# Altium PCB top_LM_v2.PcbDoc (part 2 of 5) (continued)
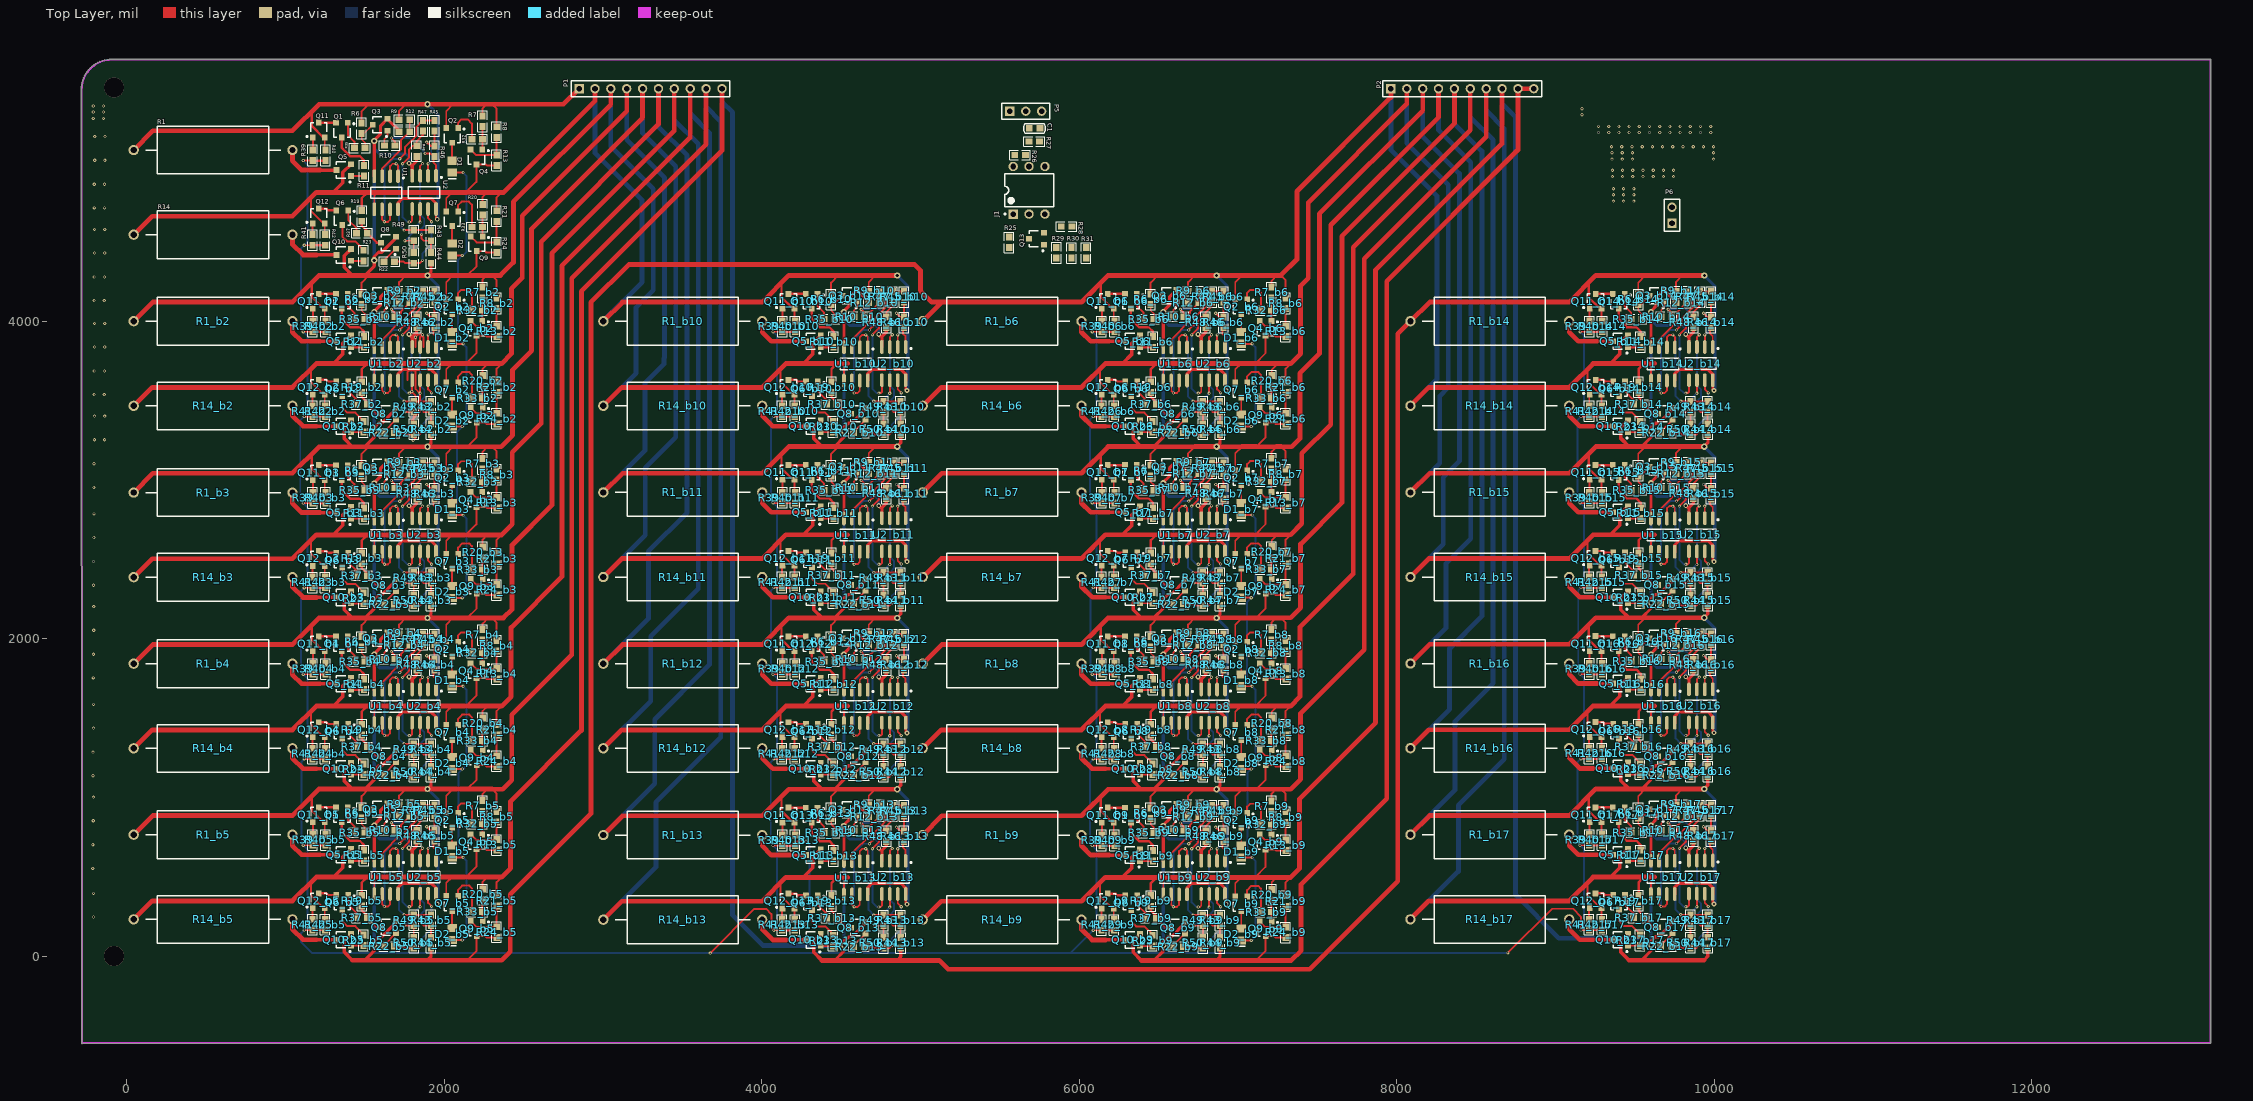
[diagram p0: Top Layer view]
## Nets (pads, with @x,y where several pads share a name; then routed paths per layer and width w, separated by ;. In a path a pad name is that pad's centre, name@x,y a point inside that pad or via, vN(x,y) a via of type N, cw(c..) or ccw(c..) an arc to the next point about the centre after c; other vN are vias at no path point)
+12V: P5.1
ALARM: C1.1 P5.3 R27.2
G1_VC1_BUF: R43.1 R49.1 U1.1 U1.2 | length 798.4
  Top Layer w12: U1.2@1660,4912.75 1660,4976.26 1675,4991.26 v1(1698,4991.26) 1710,4979.26 U1.1@1710,4912.75 ; v1@1748.54,4572.72 R49.1@1809,4572.72 R43.1@1917,4572.72
  Bottom Layer w12: v1(1698,4991.26) 1715,4974.26 1715,4606.26 v1(1748,4573.26)
G1_VC1_BUF_b2: R43_b2.1 R49_b2.1 U1_b2.1 U1_b2.2 | length 798.4
  Top Layer w12: U1_b2.2@1660,3834.75 1660,3898.26 1675,3913.26 v1(1698,3913.26) 1710,3901.26 U1_b2.1@1710,3834.75 ; v1@1748.54,3494.72 R49_b2.1@1809,3494.72 R43_b2.1@1917,3494.72
  Bottom Layer w12: v1(1698,3913.26) 1715,3896.26 1715,3528.26 v1(1748,3495.26)
G1_VC1_BUF_b3: R43_b3.1 R49_b3.1 U1_b3.1 U1_b3.2 | length 798.4
  Top Layer w12: U1_b3.2@1660,2755.75 1660,2819.26 1675,2834.26 v1(1698,2834.26) 1710,2822.26 U1_b3.1@1710,2755.75 ; v1@1748.54,2415.72 R49_b3.1@1809,2415.72 R43_b3.1@1917,2415.72
  Bottom Layer w12: v1(1698,2834.26) 1715,2817.26 1715,2449.26 v1(1748,2416.26)
G1_VC1_BUF_b4: R43_b4.1 R49_b4.1 U1_b4.1 U1_b4.2 | length 798.4
  Top Layer w12: U1_b4.2@1660,1677.75 1660,1741.26 1675,1756.26 v1(1698,1756.26) 1710,1744.26 U1_b4.1@1710,1677.75 ; v1@1748.54,1337.72 R49_b4.1@1809,1337.72 R43_b4.1@1917,1337.72
  Bottom Layer w12: v1(1698,1756.26) 1715,1739.26 1715,1371.26 v1(1748,1338.26)
G1_VC1_BUF_b5: R43_b5.1 R49_b5.1 U1_b5.1 U1_b5.2 | length 798.4
  Top Layer w12: U1_b5.2@1660,600.75 1660,664.26 1675,679.26 v1(1698,679.26) 1710,667.26 U1_b5.1@1710,600.75 ; v1@1748.54,260.72 R49_b5.1@1809,260.72 R43_b5.1@1917,260.72
  Bottom Layer w12: v1(1698,679.26) 1715,662.26 1715,294.26 v1(1748,261.26)
G1_VC1_BUF_b6: R43_b6.1 R49_b6.1 U1_b6.1 U1_b6.2 | length 798.4
  Top Layer w12: U1_b6.2@6629.25,3834.75 6629.25,3898.26 6644.25,3913.26 v1(6667.25,3913.26) 6679.25,3901.26 U1_b6.1@6679.25,3834.75 ; v1@6717.79,3494.72 R49_b6.1@6778.25,3494.72 R43_b6.1@6886.25,3494.72
  Bottom Layer w12: v1(6667.25,3913.26) 6684.25,3896.26 6684.25,3528.26 v1(6717.25,3495.26)
G1_VC1_BUF_b7: R43_b7.1 R49_b7.1 U1_b7.1 U1_b7.2 | length 798.4
  Top Layer w12: U1_b7.2@6629.25,2756.75 6629.25,2820.26 6644.25,2835.26 v1(6667.25,2835.26) 6679.25,2823.26 U1_b7.1@6679.25,2756.75 ; v1@6717.79,2416.72 R49_b7.1@6778.25,2416.72 R43_b7.1@6886.25,2416.72
  Bottom Layer w12: v1(6667.25,2835.26) 6684.25,2818.26 6684.25,2450.26 v1(6717.25,2417.26)
G1_VC1_BUF_b8: R43_b8.1 R49_b8.1 U1_b8.1 U1_b8.2 | length 798.4
  Top Layer w12: U1_b8.2@6629.25,1677.75 6629.25,1741.26 6644.25,1756.26 v1(6667.25,1756.26) 6679.25,1744.26 U1_b8.1@6679.25,1677.75 ; v1@6717.79,1337.72 R49_b8.1@6778.25,1337.72 R43_b8.1@6886.25,1337.72
  Bottom Layer w12: v1(6667.25,1756.26) 6684.25,1739.26 6684.25,1371.26 v1(6717.25,1338.26)
G1_VC1_BUF_b9: R43_b9.1 R49_b9.1 U1_b9.1 U1_b9.2 | length 798.4
  Top Layer w12: U1_b9.2@6629.25,598.75 6629.25,662.26 6644.25,677.26 v1(6667.25,677.26) 6679.25,665.26 U1_b9.1@6679.25,598.75 ; v1@6717.79,258.72 R49_b9.1@6778.25,258.72 R43_b9.1@6886.25,258.72
  Bottom Layer w12: v1(6667.25,677.26) 6684.25,660.26 6684.25,292.26 v1(6717.25,259.26)
G1_VC1_BUF_b10: R43_b10.1 R49_b10.1 U1_b10.1 U1_b10.2 | length 798.4
  Top Layer w12: U1_b10.2@4618,3834.75 4618,3898.26 4633,3913.26 v1(4656,3913.26) 4668,3901.26 U1_b10.1@4668,3834.75 ; v1@4706.54,3494.72 R49_b10.1@4767,3494.72 R43_b10.1@4875,3494.72
  Bottom Layer w12: v1(4656,3913.26) 4673,3896.26 4673,3528.26 v1(4706,3495.26)
G1_VC1_BUF_b11: R43_b11.1 R49_b11.1 U1_b11.1 U1_b11.2 | length 798.4
  Top Layer w12: U1_b11.2@4618,2756.75 4618,2820.26 4633,2835.26 v1(4656,2835.26) 4668,2823.26 U1_b11.1@4668,2756.75 ; v1@4706.54,2416.72 R49_b11.1@4767,2416.72 R43_b11.1@4875,2416.72
  Bottom Layer w12: v1(4656,2835.26) 4673,2818.26 4673,2450.26 v1(4706,2417.26)
G1_VC1_BUF_b12: R43_b12.1 R49_b12.1 U1_b12.1 U1_b12.2 | length 798.4
  Top Layer w12: U1_b12.2@4618,1677.75 4618,1741.26 4633,1756.26 v1(4656,1756.26) 4668,1744.26 U1_b12.1@4668,1677.75 ; v1@4706.54,1337.72 R49_b12.1@4767,1337.72 R43_b12.1@4875,1337.72
  Bottom Layer w12: v1(4656,1756.26) 4673,1739.26 4673,1371.26 v1(4706,1338.26)
G1_VC1_BUF_b13: R43_b13.1 R49_b13.1 U1_b13.1 U1_b13.2 | length 798.4
  Top Layer w12: U1_b13.2@4618,598.75 4618,662.26 4633,677.26 v1(4656,677.26) 4668,665.26 U1_b13.1@4668,598.75 ; v1@4706.54,258.72 R49_b13.1@4767,258.72 R43_b13.1@4875,258.72
  Bottom Layer w12: v1(4656,677.26) 4673,660.26 4673,292.26 v1(4706,259.26)
G1_VC1_BUF_b14: R43_b14.1 R49_b14.1 U1_b14.1 U1_b14.2 | length 798.4
  Top Layer w12: U1_b14.2@9701,3834.75 9701,3898.26 9716,3913.26 v1(9739,3913.26) 9751,3901.26 U1_b14.1@9751,3834.75 ; v1@9789.54,3494.72 R49_b14.1@9850,3494.72 R43_b14.1@9958,3494.72
  Bottom Layer w12: v1(9739,3913.26) 9756,3896.26 9756,3528.26 v1(9789,3495.26)
G1_VC1_BUF_b15: R43_b15.1 R49_b15.1 U1_b15.1 U1_b15.2 | length 798.4
  Top Layer w12: U1_b15.2@9700.75,2756.75 9700.75,2820.26 9715.75,2835.26 v1(9738.75,2835.26) 9750.75,2823.26 U1_b15.1@9750.75,2756.75 ; v1@9789.28,2416.72 R49_b15.1@9849.75,2416.72 R43_b15.1@9957.75,2416.72
  Bottom Layer w12: v1(9738.75,2835.26) 9755.75,2818.26 9755.75,2450.26 v1(9788.75,2417.26)
G1_VC1_BUF_b16: R43_b16.1 R49_b16.1 U1_b16.1 U1_b16.2 | length 798.4
  Top Layer w12: U1_b16.2@9700.75,1678.75 9700.75,1742.26 9715.75,1757.26 v1(9738.75,1757.26) 9750.75,1745.26 U1_b16.1@9750.75,1678.75 ; v1@9789.28,1338.72 R49_b16.1@9849.75,1338.72 R43_b16.1@9957.75,1338.72
  Bottom Layer w12: v1(9738.75,1757.26) 9755.75,1740.26 9755.75,1372.26 v1(9788.75,1339.26)
G1_VC1_BUF_b17: R43_b17.1 R49_b17.1 U1_b17.1 U1_b17.2 | length 798.4
  Top Layer w12: U1_b17.2@9700.75,600.75 9700.75,664.26 9715.75,679.26 v1(9738.75,679.26) 9750.75,667.26 U1_b17.1@9750.75,600.75 ; v1@9789.28,260.72 R49_b17.1@9849.75,260.72 R43_b17.1@9957.75,260.72
  Bottom Layer w12: v1(9738.75,679.26) 9755.75,662.26 9755.75,294.26 v1(9788.75,261.26)
G1_VC1_DISCH: R10.2 R46.2 U2.1 | length 497.4
  Top Layer w12: v1(1668,5153.26) 1690.46,5130.8 R10.2@1690.46,5106.26 ; v1(1880,5056.26) 1912.54,5056.26 1932,5036.8 1932,4999.26 1949,4982.26 U2.1@1949,4915.02
  Bottom Layer w12: v1(1668,5153.26) 1783,5153.26 v1(1880,5056.26)
G1_VC1_DISCH_b2: R10_b2.2 R46_b2.2 U2_b2.1 | length 497.4
  Top Layer w12: v1(1668,4075.26) 1690.46,4052.8 R10_b2.2@1690.46,4028.26 ; v1(1880,3978.26) 1912.54,3978.26 1932,3958.8 1932,3921.26 1949,3904.26 U2_b2.1@1949,3837.02
  Bottom Layer w12: v1(1668,4075.26) 1783,4075.26 v1(1880,3978.26)
G1_VC1_DISCH_b3: R10_b3.2 R46_b3.2 U2_b3.1 | length 497.4
  Top Layer w12: v1(1668,2996.26) 1690.46,2973.8 R10_b3.2@1690.46,2949.26 ; v1(1880,2899.26) 1912.54,2899.26 1932,2879.8 1932,2842.26 1949,2825.26 U2_b3.1@1949,2758.02
  Bottom Layer w12: v1(1668,2996.26) 1783,2996.26 v1(1880,2899.26)
G1_VC1_DISCH_b4: R10_b4.2 R46_b4.2 U2_b4.1 | length 497.4
  Top Layer w12: v1(1668,1918.26) 1690.46,1895.8 R10_b4.2@1690.46,1871.26 ; v1(1880,1821.26) 1912.54,1821.26 1932,1801.8 1932,1764.26 1949,1747.26 U2_b4.1@1949,1680.02
  Bottom Layer w12: v1(1668,1918.26) 1783,1918.26 v1(1880,1821.26)
G1_VC1_DISCH_b5: R10_b5.2 R46_b5.2 U2_b5.1 | length 497.4
  Top Layer w12: v1(1668,841.26) 1690.46,818.8 R10_b5.2@1690.46,794.26 ; v1(1880,744.26) 1912.54,744.26 1932,724.8 1932,687.26 1949,670.26 U2_b5.1@1949,603.02
  Bottom Layer w12: v1(1668,841.26) 1783,841.26 v1(1880,744.26)
G1_VC1_DISCH_b6: R10_b6.2 R46_b6.2 U2_b6.1 | length 497.4
  Top Layer w12: v1(6637.25,4075.26) 6659.72,4052.8 R10_b6.2@6659.72,4028.26 ; v1(6849.25,3978.26) 6881.79,3978.26 6901.25,3958.8 6901.25,3921.26 6918.25,3904.26 U2_b6.1@6918.25,3837.02
  Bottom Layer w12: v1(6637.25,4075.26) 6752.25,4075.26 v1(6849.25,3978.26)
G1_VC1_DISCH_b7: R10_b7.2 R46_b7.2 U2_b7.1 | length 497.4
  Top Layer w12: v1(6637.25,2997.26) 6659.72,2974.8 R10_b7.2@6659.72,2950.26 ; v1(6849.25,2900.26) 6881.79,2900.26 6901.25,2880.8 6901.25,2843.26 6918.25,2826.26 U2_b7.1@6918.25,2759.02
  Bottom Layer w12: v1(6637.25,2997.26) 6752.25,2997.26 v1(6849.25,2900.26)
G1_VC1_DISCH_b8: R10_b8.2 R46_b8.2 U2_b8.1 | length 497.4
  Top Layer w12: v1(6637.25,1918.26) 6659.72,1895.8 R10_b8.2@6659.72,1871.26 ; v1(6849.25,1821.26) 6881.79,1821.26 6901.25,1801.8 6901.25,1764.26 6918.25,1747.26 U2_b8.1@6918.25,1680.02
  Bottom Layer w12: v1(6637.25,1918.26) 6752.25,1918.26 v1(6849.25,1821.26)
G1_VC1_DISCH_b9: R10_b9.2 R46_b9.2 U2_b9.1 | length 497.4
  Top Layer w12: v1(6637.25,839.26) 6659.72,816.8 R10_b9.2@6659.72,792.26 ; v1(6849.25,742.26) 6881.79,742.26 6901.25,722.8 6901.25,685.26 6918.25,668.26 U2_b9.1@6918.25,601.02
  Bottom Layer w12: v1(6637.25,839.26) 6752.25,839.26 v1(6849.25,742.26)
G1_VC1_DISCH_b10: R10_b10.2 R46_b10.2 U2_b10.1 | length 497.4
  Top Layer w12: v1(4626,4075.26) 4648.46,4052.8 R10_b10.2@4648.46,4028.26 ; v1(4838,3978.26) 4870.54,3978.26 4890,3958.8 4890,3921.26 4907,3904.26 U2_b10.1@4907,3837.02
  Bottom Layer w12: v1(4626,4075.26) 4741,4075.26 v1(4838,3978.26)
G1_VC1_DISCH_b11: R10_b11.2 R46_b11.2 U2_b11.1 | length 497.4
  Top Layer w12: v1(4626,2997.26) 4648.46,2974.8 R10_b11.2@4648.46,2950.26 ; v1(4838,2900.26) 4870.54,2900.26 4890,2880.8 4890,2843.26 4907,2826.26 U2_b11.1@4907,2759.02
  Bottom Layer w12: v1(4626,2997.26) 4741,2997.26 v1(4838,2900.26)
G1_VC1_DISCH_b12: R10_b12.2 R46_b12.2 U2_b12.1 | length 497.4
  Top Layer w12: v1(4626,1918.26) 4648.46,1895.8 R10_b12.2@4648.46,1871.26 ; v1(4838,1821.26) 4870.54,1821.26 4890,1801.8 4890,1764.26 4907,1747.26 U2_b12.1@4907,1680.02
  Bottom Layer w12: v1(4626,1918.26) 4741,1918.26 v1(4838,1821.26)
G1_VC1_DISCH_b13: R10_b13.2 R46_b13.2 U2_b13.1 | length 497.4
  Top Layer w12: v1(4626,839.26) 4648.46,816.8 R10_b13.2@4648.46,792.26 ; v1(4838,742.26) 4870.54,742.26 4890,722.8 4890,685.26 4907,668.26 U2_b13.1@4907,601.02
  Bottom Layer w12: v1(4626,839.26) 4741,839.26 v1(4838,742.26)
G1_VC1_DISCH_b14: R10_b14.2 R46_b14.2 U2_b14.1 | length 497.4
  Top Layer w12: v1(9709,4075.26) 9731.46,4052.8 R10_b14.2@9731.46,4028.26 ; v1(9921,3978.26) 9953.54,3978.26 9973,3958.8 9973,3921.26 9990,3904.26 U2_b14.1@9990,3837.02
  Bottom Layer w12: v1(9709,4075.26) 9824,4075.26 v1(9921,3978.26)
G1_VC1_DISCH_b15: R10_b15.2 R46_b15.2 U2_b15.1 | length 497.4
  Top Layer w12: v1(9708.75,2997.26) 9731.21,2974.8 R10_b15.2@9731.21,2950.26 ; v1(9920.75,2900.26) 9953.28,2900.26 9972.75,2880.8 9972.75,2843.26 9989.75,2826.26 U2_b15.1@9989.75,2759.02
  Bottom Layer w12: v1(9708.75,2997.26) 9823.75,2997.26 v1(9920.75,2900.26)
G1_VC1_DISCH_b16: R10_b16.2 R46_b16.2 U2_b16.1 | length 497.4
  Top Layer w12: v1(9708.75,1919.26) 9731.21,1896.8 R10_b16.2@9731.21,1872.26 ; v1(9920.75,1822.26) 9953.28,1822.26 9972.75,1802.8 9972.75,1765.26 9989.75,1748.26 U2_b16.1@9989.75,1681.02
  Bottom Layer w12: v1(9708.75,1919.26) 9823.75,1919.26 v1(9920.75,1822.26)
G1_VC1_DISCH_b17: R10_b17.2 R46_b17.2 U2_b17.1 | length 497.4
  Top Layer w12: v1(9708.75,841.26) 9731.21,818.8 R10_b17.2@9731.21,794.26 ; v1(9920.75,744.26) 9953.28,744.26 9972.75,724.8 9972.75,687.26 9989.75,670.26 U2_b17.1@9989.75,603.02
  Bottom Layer w12: v1(9708.75,841.26) 9823.75,841.26 v1(9920.75,744.26)
G1_VC1_VOL: R9.1 R12.2 U1.3 | length 427.4
  Top Layer w12: U1.3@1610,4912.75 1610,4961.83 1728.12,5079.95 1728.12,5137.91 R12.2@1783.46,5193.26 R9.1@1783.46,5268.26
G1_VC1_VOL_b2: R9_b2.1 R12_b2.2 U1_b2.3 | length 427.4
  Top Layer w12: U1_b2.3@1610,3834.75 1610,3883.83 1728.12,4001.95 1728.12,4059.91 R12_b2.2@1783.46,4115.26 R9_b2.1@1783.46,4190.26
G1_VC1_VOL_b3: R9_b3.1 R12_b3.2 U1_b3.3 | length 427.4
  Top Layer w12: U1_b3.3@1610,2755.75 1610,2804.83 1728.12,2922.95 1728.12,2980.91 R12_b3.2@1783.46,3036.26 R9_b3.1@1783.46,3111.26
G1_VC1_VOL_b4: R9_b4.1 R12_b4.2 U1_b4.3 | length 427.4
  Top Layer w12: U1_b4.3@1610,1677.75 1610,1726.83 1728.12,1844.95 1728.12,1902.91 R12_b4.2@1783.46,1958.26 R9_b4.1@1783.46,2033.26
G1_VC1_VOL_b5: R9_b5.1 R12_b5.2 U1_b5.3 | length 427.4
  Top Layer w12: U1_b5.3@1610,600.75 1610,649.83 1728.12,767.95 1728.12,825.91 R12_b5.2@1783.46,881.26 R9_b5.1@1783.46,956.26
G1_VC1_VOL_b6: R9_b6.1 R12_b6.2 U1_b6.3 | length 427.4
  Top Layer w12: U1_b6.3@6579.25,3834.75 6579.25,3883.83 6697.37,4001.95 6697.37,4059.91 R12_b6.2@6752.72,4115.26 R9_b6.1@6752.72,4190.26
G1_VC1_VOL_b7: R9_b7.1 R12_b7.2 U1_b7.3 | length 427.4
  Top Layer w12: U1_b7.3@6579.25,2756.75 6579.25,2805.83 6697.37,2923.95 6697.37,2981.91 R12_b7.2@6752.72,3037.26 R9_b7.1@6752.72,3112.26
G1_VC1_VOL_b8: R9_b8.1 R12_b8.2 U1_b8.3 | length 427.4
  Top Layer w12: U1_b8.3@6579.25,1677.75 6579.25,1726.83 6697.37,1844.95 6697.37,1902.91 R12_b8.2@6752.72,1958.26 R9_b8.1@6752.72,2033.26
G1_VC1_VOL_b9: R9_b9.1 R12_b9.2 U1_b9.3 | length 427.4
  Top Layer w12: U1_b9.3@6579.25,598.75 6579.25,647.83 6697.37,765.95 6697.37,823.91 R12_b9.2@6752.72,879.26 R9_b9.1@6752.72,954.26
G1_VC1_VOL_b10: R9_b10.1 R12_b10.2 U1_b10.3 | length 427.4
  Top Layer w12: U1_b10.3@4568,3834.75 4568,3883.83 4686.12,4001.95 4686.12,4059.91 R12_b10.2@4741.46,4115.26 R9_b10.1@4741.46,4190.26
G1_VC1_VOL_b11: R9_b11.1 R12_b11.2 U1_b11.3 | length 427.4
  Top Layer w12: U1_b11.3@4568,2756.75 4568,2805.83 4686.12,2923.95 4686.12,2981.91 R12_b11.2@4741.46,3037.26 R9_b11.1@4741.46,3112.26
G1_VC1_VOL_b12: R9_b12.1 R12_b12.2 U1_b12.3 | length 427.4
  Top Layer w12: U1_b12.3@4568,1677.75 4568,1726.83 4686.12,1844.95 4686.12,1902.91 R12_b12.2@4741.46,1958.26 R9_b12.1@4741.46,2033.26
G1_VC1_VOL_b13: R9_b13.1 R12_b13.2 U1_b13.3 | length 427.4
  Top Layer w12: U1_b13.3@4568,598.75 4568,647.83 4686.12,765.95 4686.12,823.91 R12_b13.2@4741.46,879.26 R9_b13.1@4741.46,954.26
G1_VC1_VOL_b14: R9_b14.1 R12_b14.2 U1_b14.3 | length 427.4
  Top Layer w12: U1_b14.3@9651,3834.75 9651,3883.83 9769.12,4001.95 9769.12,4059.91 R12_b14.2@9824.46,4115.26 R9_b14.1@9824.46,4190.26
G1_VC1_VOL_b15: R9_b15.1 R12_b15.2 U1_b15.3 | length 427.4
  Top Layer w12: U1_b15.3@9650.75,2756.75 9650.75,2805.83 9768.87,2923.95 9768.87,2981.91 R12_b15.2@9824.21,3037.26 R9_b15.1@9824.21,3112.26
G1_VC1_VOL_b16: R9_b16.1 R12_b16.2 U1_b16.3 | length 427.4
  Top Layer w12: U1_b16.3@9650.75,1678.75 9650.75,1727.83 9768.87,1845.95 9768.87,1903.91 R12_b16.2@9824.21,1959.26 R9_b16.1@9824.21,2034.26
G1_VC1_VOL_b17: R9_b17.1 R12_b17.2 U1_b17.3 | length 427.4
  Top Layer w12: U1_b17.3@9650.75,600.75 9650.75,649.83 9768.87,767.95 9768.87,825.91 R12_b17.2@9824.21,881.26 R9_b17.1@9824.21,956.26
G1_VC2_BUF: R45.1 R47.1 U1.6 U1.7 | length 1025.4
  Top Layer w12: U1.6@1610,4703.77 1610,4639.26 v1(1624,4625.26) 1646,4625.26 1660,4639.26 U1.7@1660,4703.77 ; v1(1721,5022.26) 1753,5054.26 1753,5094.69 1800.69,5142.38 1801.12,5142.38 1825,5166.26 1825,5221.72 R47.1@1867,5263.72 R45.1@1939,5263.72
  Bottom Layer w12: v1(1624,4625.26) 1624,4965.26 1681,5022.26 v1(1721,5022.26)
G1_VC2_BUF_b2: R45_b2.1 R47_b2.1 U1_b2.6 U1_b2.7 | length 1025.4
  Top Layer w12: U1_b2.6@1610,3625.77 1610,3561.26 v1(1624,3547.26) 1646,3547.26 1660,3561.26 U1_b2.7@1660,3625.77 ; v1(1721,3944.26) 1753,3976.26 1753,4016.69 1800.69,4064.38 1801.12,4064.38 1825,4088.26 1825,4143.72 R47_b2.1@1867,4185.72 R45_b2.1@1939,4185.72
  Bottom Layer w12: v1(1624,3547.26) 1624,3887.26 1681,3944.26 v1(1721,3944.26)
G1_VC2_BUF_b3: R45_b3.1 R47_b3.1 U1_b3.6 U1_b3.7 | length 1025.4
  Top Layer w12: U1_b3.6@1610,2546.77 1610,2482.26 v1(1624,2468.26) 1646,2468.26 1660,2482.26 U1_b3.7@1660,2546.77 ; v1(1721,2865.26) 1753,2897.26 1753,2937.69 1800.69,2985.38 1801.12,2985.38 1825,3009.26 1825,3064.72 R47_b3.1@1867,3106.72 R45_b3.1@1939,3106.72
  Bottom Layer w12: v1(1624,2468.26) 1624,2808.26 1681,2865.26 v1(1721,2865.26)
G1_VC2_BUF_b4: R45_b4.1 R47_b4.1 U1_b4.6 U1_b4.7 | length 1025.4
  Top Layer w12: U1_b4.6@1610,1468.77 1610,1404.26 v1(1624,1390.26) 1646,1390.26 1660,1404.26 U1_b4.7@1660,1468.77 ; v1(1721,1787.26) 1753,1819.26 1753,1859.69 1800.69,1907.38 1801.12,1907.38 1825,1931.26 1825,1986.72 R47_b4.1@1867,2028.72 R45_b4.1@1939,2028.72
  Bottom Layer w12: v1(1624,1390.26) 1624,1730.26 1681,1787.26 v1(1721,1787.26)
G1_VC2_BUF_b5: R45_b5.1 R47_b5.1 U1_b5.6 U1_b5.7 | length 1025.4
  Top Layer w12: U1_b5.6@1610,391.77 1610,327.26 v1(1624,313.26) 1646,313.26 1660,327.26 U1_b5.7@1660,391.77 ; v1(1721,710.26) 1753,742.26 1753,782.69 1800.69,830.38 1801.12,830.38 1825,854.26 1825,909.72 R47_b5.1@1867,951.72 R45_b5.1@1939,951.72
  Bottom Layer w12: v1(1624,313.26) 1624,653.26 1681,710.26 v1(1721,710.26)
G1_VC2_BUF_b6: R45_b6.1 R47_b6.1 U1_b6.6 U1_b6.7 | length 1025.4
  Top Layer w12: U1_b6.6@6579.25,3625.77 6579.25,3561.26 v1(6593.25,3547.26) 6615.25,3547.26 6629.25,3561.26 U1_b6.7@6629.25,3625.77 ; v1(6690.25,3944.26) 6722.25,3976.26 6722.25,4016.69 6769.94,4064.38 6770.37,4064.38 6794.25,4088.26 6794.25,4143.72 R47_b6.1@6836.25,4185.72 R45_b6.1@6908.25,4185.72
  Bottom Layer w12: v1(6593.25,3547.26) 6593.25,3887.26 6650.25,3944.26 v1(6690.25,3944.26)
G1_VC2_BUF_b7: R45_b7.1 R47_b7.1 U1_b7.6 U1_b7.7 | length 1025.4
  Top Layer w12: U1_b7.6@6579.25,2547.77 6579.25,2483.26 v1(6593.25,2469.26) 6615.25,2469.26 6629.25,2483.26 U1_b7.7@6629.25,2547.77 ; v1(6690.25,2866.26) 6722.25,2898.26 6722.25,2938.69 6769.94,2986.38 6770.37,2986.38 6794.25,3010.26 6794.25,3065.72 R47_b7.1@6836.25,3107.72 R45_b7.1@6908.25,3107.72
  Bottom Layer w12: v1(6593.25,2469.26) 6593.25,2809.26 6650.25,2866.26 v1(6690.25,2866.26)
G1_VC2_BUF_b8: R45_b8.1 R47_b8.1 U1_b8.6 U1_b8.7 | length 1025.4
  Top Layer w12: U1_b8.6@6579.25,1468.77 6579.25,1404.26 v1(6593.25,1390.26) 6615.25,1390.26 6629.25,1404.26 U1_b8.7@6629.25,1468.77 ; v1(6690.25,1787.26) 6722.25,1819.26 6722.25,1859.69 6769.94,1907.38 6770.37,1907.38 6794.25,1931.26 6794.25,1986.72 R47_b8.1@6836.25,2028.72 R45_b8.1@6908.25,2028.72
  Bottom Layer w12: v1(6593.25,1390.26) 6593.25,1730.26 6650.25,1787.26 v1(6690.25,1787.26)
G1_VC2_BUF_b9: R45_b9.1 R47_b9.1 U1_b9.6 U1_b9.7 | length 1025.4
  Top Layer w12: U1_b9.6@6579.25,389.77 6579.25,325.26 v1(6593.25,311.26) 6615.25,311.26 6629.25,325.26 U1_b9.7@6629.25,389.77 ; v1(6690.25,708.26) 6722.25,740.26 6722.25,780.69 6769.94,828.38 6770.37,828.38 6794.25,852.26 6794.25,907.72 R47_b9.1@6836.25,949.72 R45_b9.1@6908.25,949.72
  Bottom Layer w12: v1(6593.25,311.26) 6593.25,651.26 6650.25,708.26 v1(6690.25,708.26)
G1_VC2_BUF_b10: R45_b10.1 R47_b10.1 U1_b10.6 U1_b10.7 | length 1025.4
  Top Layer w12: U1_b10.6@4568,3625.77 4568,3561.26 v1(4582,3547.26) 4604,3547.26 4618,3561.26 U1_b10.7@4618,3625.77 ; v1(4679,3944.26) 4711,3976.26 4711,4016.69 4758.69,4064.38 4759.12,4064.38 4783,4088.26 4783,4143.72 R47_b10.1@4825,4185.72 R45_b10.1@4897,4185.72
  Bottom Layer w12: v1(4582,3547.26) 4582,3887.26 4639,3944.26 v1(4679,3944.26)
G1_VC2_BUF_b11: R45_b11.1 R47_b11.1 U1_b11.6 U1_b11.7 | length 1025.4
  Top Layer w12: U1_b11.6@4568,2547.77 4568,2483.26 v1(4582,2469.26) 4604,2469.26 4618,2483.26 U1_b11.7@4618,2547.77 ; v1(4679,2866.26) 4711,2898.26 4711,2938.69 4758.69,2986.38 4759.12,2986.38 4783,3010.26 4783,3065.72 R47_b11.1@4825,3107.72 R45_b11.1@4897,3107.72
  Bottom Layer w12: v1(4582,2469.26) 4582,2809.26 4639,2866.26 v1(4679,2866.26)
G1_VC2_BUF_b12: R45_b12.1 R47_b12.1 U1_b12.6 U1_b12.7 | length 1025.4
  Top Layer w12: U1_b12.6@4568,1468.77 4568,1404.26 v1(4582,1390.26) 4604,1390.26 4618,1404.26 U1_b12.7@4618,1468.77 ; v1(4679,1787.26) 4711,1819.26 4711,1859.69 4758.69,1907.38 4759.12,1907.38 4783,1931.26 4783,1986.72 R47_b12.1@4825,2028.72 R45_b12.1@4897,2028.72
  Bottom Layer w12: v1(4582,1390.26) 4582,1730.26 4639,1787.26 v1(4679,1787.26)
G1_VC2_BUF_b13: R45_b13.1 R47_b13.1 U1_b13.6 U1_b13.7 | length 1025.4
  Top Layer w12: U1_b13.6@4568,389.77 4568,325.26 v1(4582,311.26) 4604,311.26 4618,325.26 U1_b13.7@4618,389.77 ; v1(4679,708.26) 4711,740.26 4711,780.69 4758.69,828.38 4759.12,828.38 4783,852.26 4783,907.72 R47_b13.1@4825,949.72 R45_b13.1@4897,949.72
  Bottom Layer w12: v1(4582,311.26) 4582,651.26 4639,708.26 v1(4679,708.26)
G1_VC2_BUF_b14: R45_b14.1 R47_b14.1 U1_b14.6 U1_b14.7 | length 1025.4
  Top Layer w12: U1_b14.6@9651,3625.77 9651,3561.26 v1(9665,3547.26) 9687,3547.26 9701,3561.26 U1_b14.7@9701,3625.77 ; v1(9762,3944.26) 9794,3976.26 9794,4016.69 9841.69,4064.38 9842.12,4064.38 9866,4088.26 9866,4143.72 R47_b14.1@9908,4185.72 R45_b14.1@9980,4185.72
  Bottom Layer w12: v1(9665,3547.26) 9665,3887.26 9722,3944.26 v1(9762,3944.26)
G1_VC2_BUF_b15: R45_b15.1 R47_b15.1 U1_b15.6 U1_b15.7 | length 1025.4
  Top Layer w12: U1_b15.6@9650.75,2547.77 9650.75,2483.26 v1(9664.75,2469.26) 9686.75,2469.26 9700.75,2483.26 U1_b15.7@9700.75,2547.77 ; v1(9761.75,2866.26) 9793.75,2898.26 9793.75,2938.69 9841.44,2986.38 9841.87,2986.38 9865.75,3010.26 9865.75,3065.72 R47_b15.1@9907.75,3107.72 R45_b15.1@9979.75,3107.72
  Bottom Layer w12: v1(9664.75,2469.26) 9664.75,2809.26 9721.75,2866.26 v1(9761.75,2866.26)
G1_VC2_BUF_b16: R45_b16.1 R47_b16.1 U1_b16.6 U1_b16.7 | length 1025.4
  Top Layer w12: U1_b16.6@9650.75,1469.77 9650.75,1405.26 v1(9664.75,1391.26) 9686.75,1391.26 9700.75,1405.26 U1_b16.7@9700.75,1469.77 ; v1(9761.75,1788.26) 9793.75,1820.26 9793.75,1860.69 9841.44,1908.38 9841.87,1908.38 9865.75,1932.26 9865.75,1987.72 R47_b16.1@9907.75,2029.72 R45_b16.1@9979.75,2029.72
  Bottom Layer w12: v1(9664.75,1391.26) 9664.75,1731.26 9721.75,1788.26 v1(9761.75,1788.26)
G1_VC2_BUF_b17: R45_b17.1 R47_b17.1 U1_b17.6 U1_b17.7 | length 1025.4
  Top Layer w12: U1_b17.6@9650.75,391.77 9650.75,327.26 v1(9664.75,313.26) 9686.75,313.26 9700.75,327.26 U1_b17.7@9700.75,391.77 ; v1(9761.75,710.26) 9793.75,742.26 9793.75,782.69 9841.44,830.38 9841.87,830.38 9865.75,854.26 9865.75,909.72 R47_b17.1@9907.75,951.72 R45_b17.1@9979.75,951.72
  Bottom Layer w12: v1(9664.75,313.26) 9664.75,653.26 9721.75,710.26 v1(9761.75,710.26)
G1_VC2_DISCH: R22.1 R50.2 U2.7 | length 543.2
  Top Layer w12: R22.1@1688.46,4374.26 1745,4374.26 1754.46,4364.8 R50.2@1809,4364.8 1846.54,4364.8 v1(1864,4382.26) ; U2.7@1899,4706.05 1899,4648.26 v1(1921,4626.26)
  Bottom Layer w12: v1(1864,4382.26) 1864,4427.26 1921,4484.26 v1(1921,4626.26)
G1_VC2_DISCH_b2: R22_b2.1 R50_b2.2 U2_b2.7 | length 543.2
  Top Layer w12: R22_b2.1@1688.46,3296.26 1745,3296.26 1754.46,3286.8 R50_b2.2@1809,3286.8 1846.54,3286.8 v1(1864,3304.26) ; U2_b2.7@1899,3628.05 1899,3570.26 v1(1921,3548.26)
  Bottom Layer w12: v1(1864,3304.26) 1864,3349.26 1921,3406.26 v1(1921,3548.26)
G1_VC2_DISCH_b3: R22_b3.1 R50_b3.2 U2_b3.7 | length 543.2
  Top Layer w12: R22_b3.1@1688.46,2217.26 1745,2217.26 1754.46,2207.8 R50_b3.2@1809,2207.8 1846.54,2207.8 v1(1864,2225.26) ; U2_b3.7@1899,2549.05 1899,2491.26 v1(1921,2469.26)
  Bottom Layer w12: v1(1864,2225.26) 1864,2270.26 1921,2327.26 v1(1921,2469.26)
G1_VC2_DISCH_b4: R22_b4.1 R50_b4.2 U2_b4.7 | length 543.2
  Top Layer w12: R22_b4.1@1688.46,1139.26 1745,1139.26 1754.46,1129.8 R50_b4.2@1809,1129.8 1846.54,1129.8 v1(1864,1147.26) ; U2_b4.7@1899,1471.05 1899,1413.26 v1(1921,1391.26)
  Bottom Layer w12: v1(1864,1147.26) 1864,1192.26 1921,1249.26 v1(1921,1391.26)
G1_VC2_DISCH_b5: R22_b5.1 R50_b5.2 U2_b5.7 | length 543.2
  Top Layer w12: R22_b5.1@1688.46,62.26 1745,62.26 1754.46,52.8 R50_b5.2@1809,52.8 1846.54,52.8 v1(1864,70.26) ; U2_b5.7@1899,394.05 1899,336.26 v1(1921,314.26)
  Bottom Layer w12: v1(1864,70.26) 1864,115.26 1921,172.26 v1(1921,314.26)
G1_VC2_DISCH_b6: R22_b6.1 R50_b6.2 U2_b6.7 | length 543.2
  Top Layer w12: R22_b6.1@6657.72,3296.26 6714.25,3296.26 6723.72,3286.8 R50_b6.2@6778.25,3286.8 6815.79,3286.8 v1(6833.25,3304.26) ; U2_b6.7@6868.25,3628.05 6868.25,3570.26 v1(6890.25,3548.26)
  Bottom Layer w12: v1(6833.25,3304.26) 6833.25,3349.26 6890.25,3406.26 v1(6890.25,3548.26)
G1_VC2_DISCH_b7: R22_b7.1 R50_b7.2 U2_b7.7 | length 543.2
  Top Layer w12: R22_b7.1@6657.72,2218.26 6714.25,2218.26 6723.72,2208.8 R50_b7.2@6778.25,2208.8 6815.79,2208.8 v1(6833.25,2226.26) ; U2_b7.7@6868.25,2550.05 6868.25,2492.26 v1(6890.25,2470.26)
  Bottom Layer w12: v1(6833.25,2226.26) 6833.25,2271.26 6890.25,2328.26 v1(6890.25,2470.26)
G1_VC2_DISCH_b8: R22_b8.1 R50_b8.2 U2_b8.7 | length 543.2
  Top Layer w12: R22_b8.1@6657.72,1139.26 6714.25,1139.26 6723.72,1129.8 R50_b8.2@6778.25,1129.8 6815.79,1129.8 v1(6833.25,1147.26) ; U2_b8.7@6868.25,1471.05 6868.25,1413.26 v1(6890.25,1391.26)
  Bottom Layer w12: v1(6833.25,1147.26) 6833.25,1192.26 6890.25,1249.26 v1(6890.25,1391.26)
G1_VC2_DISCH_b9: R22_b9.1 R50_b9.2 U2_b9.7 | length 543.2
  Top Layer w12: R22_b9.1@6657.72,60.26 6714.25,60.26 6723.72,50.8 R50_b9.2@6778.25,50.8 6815.79,50.8 v1(6833.25,68.26) ; U2_b9.7@6868.25,392.05 6868.25,334.26 v1(6890.25,312.26)
  Bottom Layer w12: v1(6833.25,68.26) 6833.25,113.26 6890.25,170.26 v1(6890.25,312.26)
G1_VC2_DISCH_b10: R22_b10.1 R50_b10.2 U2_b10.7 | length 543.2
  Top Layer w12: R22_b10.1@4646.46,3296.26 4703,3296.26 4712.46,3286.8 R50_b10.2@4767,3286.8 4804.54,3286.8 v1(4822,3304.26) ; U2_b10.7@4857,3628.05 4857,3570.26 v1(4879,3548.26)
  Bottom Layer w12: v1(4822,3304.26) 4822,3349.26 4879,3406.26 v1(4879,3548.26)
G1_VC2_DISCH_b11: R22_b11.1 R50_b11.2 U2_b11.7 | length 543.2
  Top Layer w12: R22_b11.1@4646.46,2218.26 4703,2218.26 4712.46,2208.8 R50_b11.2@4767,2208.8 4804.54,2208.8 v1(4822,2226.26) ; U2_b11.7@4857,2550.05 4857,2492.26 v1(4879,2470.26)
  Bottom Layer w12: v1(4822,2226.26) 4822,2271.26 4879,2328.26 v1(4879,2470.26)
G1_VC2_DISCH_b12: R22_b12.1 R50_b12.2 U2_b12.7 | length 543.2
  Top Layer w12: R22_b12.1@4646.46,1139.26 4703,1139.26 4712.46,1129.8 R50_b12.2@4767,1129.8 4804.54,1129.8 v1(4822,1147.26) ; U2_b12.7@4857,1471.05 4857,1413.26 v1(4879,1391.26)
  Bottom Layer w12: v1(4822,1147.26) 4822,1192.26 4879,1249.26 v1(4879,1391.26)
G1_VC2_DISCH_b13: R22_b13.1 R50_b13.2 U2_b13.7 | length 543.2
  Top Layer w12: R22_b13.1@4646.46,60.26 4703,60.26 4712.46,50.8 R50_b13.2@4767,50.8 4804.54,50.8 v1(4822,68.26) ; U2_b13.7@4857,392.05 4857,334.26 v1(4879,312.26)
  Bottom Layer w12: v1(4822,68.26) 4822,113.26 4879,170.26 v1(4879,312.26)
G1_VC2_DISCH_b14: R22_b14.1 R50_b14.2 U2_b14.7 | length 543.2
  Top Layer w12: R22_b14.1@9729.46,3296.26 9786,3296.26 9795.46,3286.8 R50_b14.2@9850,3286.8 9887.54,3286.8 v1(9905,3304.26) ; U2_b14.7@9940,3628.05 9940,3570.26 v1(9962,3548.26)
  Bottom Layer w12: v1(9905,3304.26) 9905,3349.26 9962,3406.26 v1(9962,3548.26)
G1_VC2_DISCH_b15: R22_b15.1 R50_b15.2 U2_b15.7 | length 543.2
  Top Layer w12: R22_b15.1@9729.21,2218.26 9785.75,2218.26 9795.21,2208.8 R50_b15.2@9849.75,2208.8 9887.28,2208.8 v1(9904.75,2226.26) ; U2_b15.7@9939.75,2550.05 9939.75,2492.26 v1(9961.75,2470.26)
  Bottom Layer w12: v1(9904.75,2226.26) 9904.75,2271.26 9961.75,2328.26 v1(9961.75,2470.26)
G1_VC2_DISCH_b16: R22_b16.1 R50_b16.2 U2_b16.7 | length 543.2
  Top Layer w12: R22_b16.1@9729.21,1140.26 9785.75,1140.26 9795.21,1130.8 R50_b16.2@9849.75,1130.8 9887.28,1130.8 v1(9904.75,1148.26) ; U2_b16.7@9939.75,1472.05 9939.75,1414.26 v1(9961.75,1392.26)
  Bottom Layer w12: v1(9904.75,1148.26) 9904.75,1193.26 9961.75,1250.26 v1(9961.75,1392.26)
G1_VC2_DISCH_b17: R22_b17.1 R50_b17.2 U2_b17.7 | length 543.2
  Top Layer w12: R22_b17.1@9729.21,62.26 9785.75,62.26 9795.21,52.8 R50_b17.2@9849.75,52.8 9887.28,52.8 v1(9904.75,70.26) ; U2_b17.7@9939.75,394.05 9939.75,336.26 v1(9961.75,314.26)
  Bottom Layer w12: v1(9904.75,70.26) 9904.75,115.26 9961.75,172.26 v1(9961.75,314.26)